# Altium PCB FD-KL-ASM-SUB-PCBA-MAIN.PcbDoc (part 3 of 4) (continued)
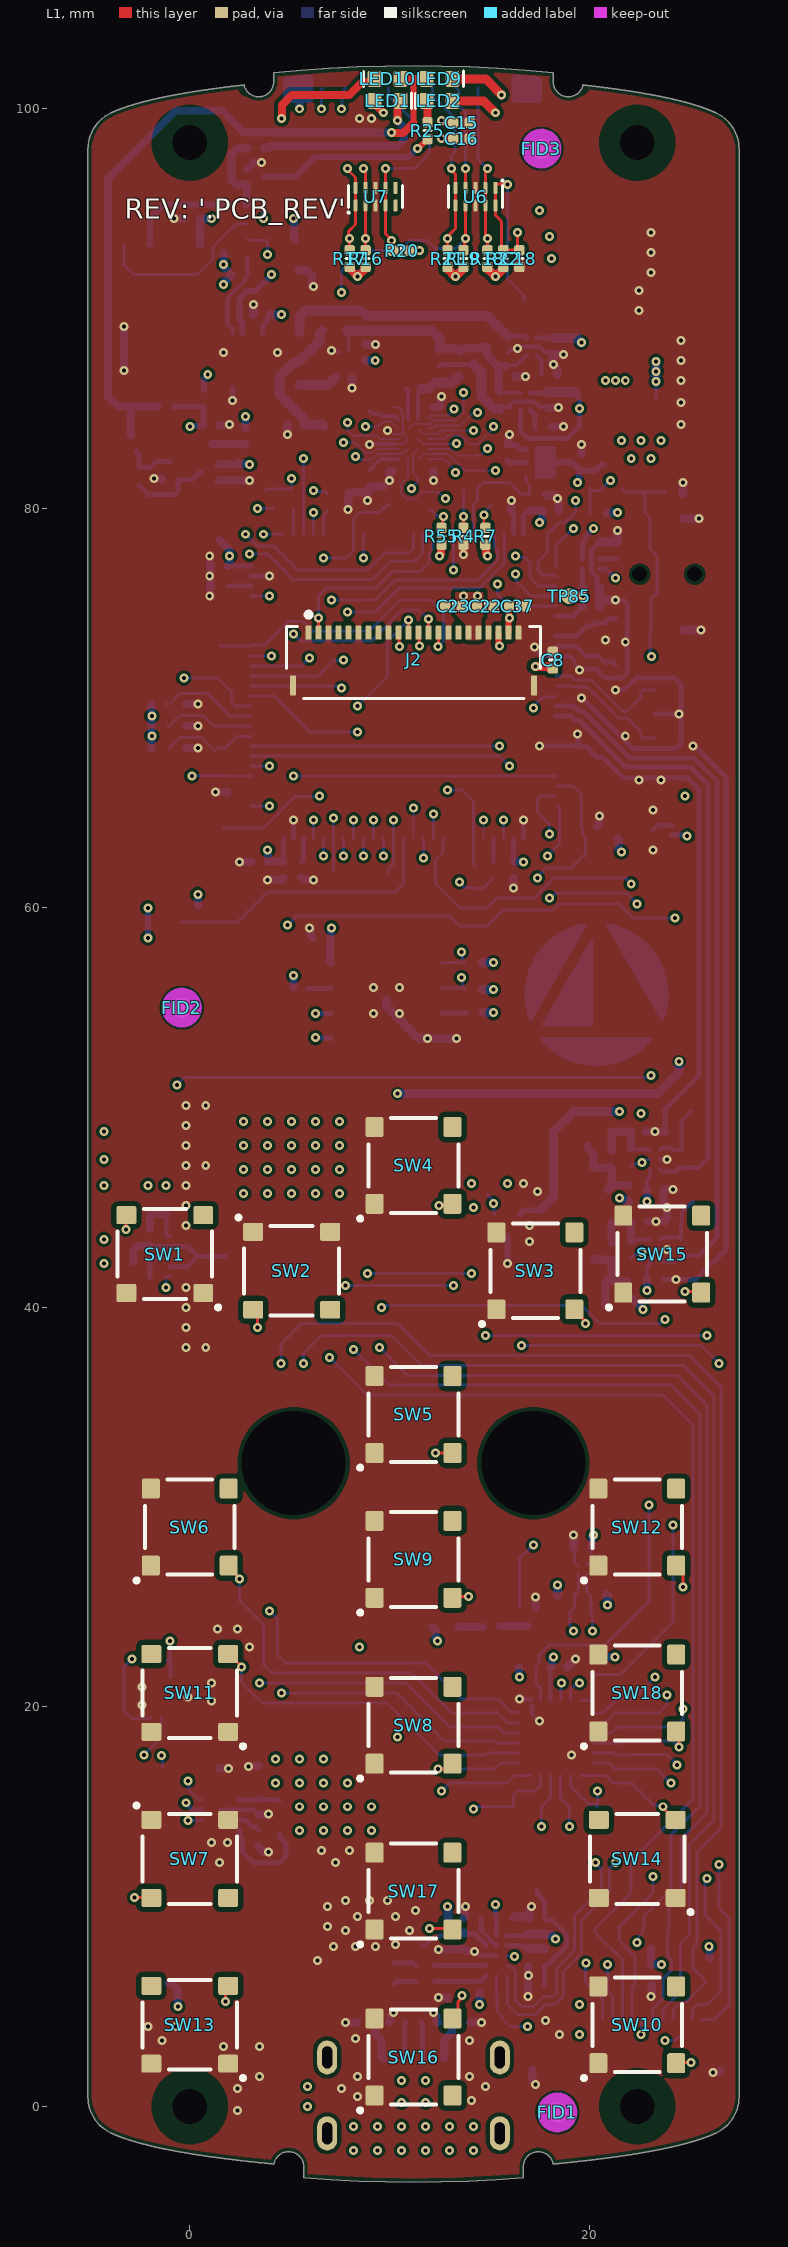
[diagram p0: L1 view]
## Nets (pads, with @x,y where several pads share a name; then routed paths per layer and width w, separated by ;. In a path a pad name is that pad's centre, name@x,y a point inside that pad or via, vN(x,y) a via of type N, cw(c..) or ccw(c..) an arc to the next point about the centre after c; other vN are vias at no path point) (continued)
  L2 w0.15: v1(-2.755,10.463) -0.984,10.463 0.052,11.5 2.1,11.5 2.45,11.85 2.45,18.55 v1(4.6,20.7)
  L4 w0.15: v1(4.6,20.7) 10.33,20.7 12.73,18.3 13.7,18.3 15.3,18.3 15.4,18.2 U4.15@16.425,18.2
KBD_K1: SW10.3 TP29.1 U4.5 | length 20.5
  L1 w0.15: SW10.3@24.35,2.175 24.375,2.2 v1(25.1,2.2)
  L2 w0.15: v1(24.4,17.1) 25.2,16.3 25.2,2.381 25.1,2.281 v1(25.1,2.2)
  L4 w0.15: U4.5@20.175,17.7 21.2,17.7 21.3,17.6 22.1,17.6 22.108,17.608 23.892,17.608 v1(24.4,17.1)
KBD_K2: SW13.3 TP32.1 U4.11 | length 26.1
  L1 w0.15: v1(1.8,5.26) 1.8,5.925 SW13.3@1.925,6.05
  L2 w0.15: v1(1.8,5.26) 5.86,5.26 7.7,7.1 12.5,7.1 12.987,7.587 12.987,8.913 12.3,9.6 12.3,10.7 13.4,11.8 13.4,14.088 v1(14.2,14.888)
  L4 w0.15: v1(14.2,14.888) 14.312,15 TP32.1@16.2,15 16.2,15.6 16.4,15.8 17.3,15.8 17.55,16.05 U4.11@17.55,16.575
KBD_K3: SW16.4 TP35.1 U4.6 | length 31.7
  L1 w0.15: SW16.4@13.15,4.425 13.435,4.71 13.435,5.235 13.635,5.435 v1(13.635,5.545)
  L2 w0.15: v1@13.7,5.6 15,5.6 16,4.6 16,3.9 17.2,2.7 24.2,2.7 24.702,3.202 24.702,15.598 v1(24.1,16.2)
  L4 w0.15: U4.6@20.175,17.2 21,17.2 21.3,16.9 23.35,16.9 24.05,16.2 v1(24.1,16.2)
KBD_K4: SW8.3 TP27.1 U4.13 | length 4.9
  L1 w0.15: v1(12.437,16.9) 12.875,16.9 SW8.3@13.15,17.175
  L4 w0.15: v1(12.437,16.9) 13.7,16.9 15.3,16.9 15.6,17.2 U4.13@16.425,17.2
KBD_K5: SW11.3 TP30.1 U4.14 | length 17.1
  L1 w0.15: SW11.3@1.925,22.65 1.967,22.65 2.6,22.017 v1(2.6,22)
  L4 w0.15: v1(2.6,22) 2.6,21.218 3.618,20.2 9.876,20.2 12.476,17.6 TP30.1@14.8,17.6 14.9,17.7 U4.14@16.425,17.7
KBD_K6: SW14.3 TP33.1 U4.7 | length 5.7
  L1 w0.15: v1(23.7,15) 23.7,14.933 24.283,14.35 SW14.3@24.325,14.35
  L4 w0.15: U4.7@19.55,16.575 20.825,16.575 21.2,16.2 TP33.1@22.1,16.2 23.25,15.05 23.65,15.05 v1(23.7,15)
KBD_K7: SW17.3 TP36.1 U4.12 | length 13.2
  L1 w0.15: v1(12,8.9) 13.125,8.9 SW17.3@13.15,8.875
  L2 w0.15: v1(12,8.9) 12,8.938 11.8,9.138 11.8,11.1 12.6,11.9 v1(12.6,15.8)
  L4 w0.15: v1(12.6,15.8) 12.636,15.8 13.036,16.2 15.9,16.2 16.275,16.575 U4.12@17.05,16.575
KBD_K8: SW9.3 TP28.1 U4.10 | length 16.5
  L1 w0.15: SW9.3@13.15,25.475 13.195,25.52 v1(13.954,25.52)
  L2 w0.15: v1(13.954,25.52) 14.837,24.637 14.837,20.163 17.6,17.4 v1(17.6,14)
  L4 w0.15: v1@17.6,14.1 TP28.1@17.6,15 18.05,15.45 U4.10@18.05,16.575
KBD_K9: SW12.3 TP31.1 U4.3 | length 12.6
  L1 w0.15: SW12.3@24.35,27.075 24.7,26.725 v1(24.7,26)
  L2 w0.15: v1(24.7,19.9) v1(24.7,26)
  L4 w0.15: U4.3@20.175,18.7 21.1,18.7 21.4,19 22.1,19 22.104,19.004 24.304,19.004 24.7,19.4 v1(24.7,19.9)
KBD_K10: SW15.3 TP34.1 U4.2 | length 26
  L1 w0.15: v1(24.8,40.8) 25.541,40.8 SW15.3@25.6,40.741
  L2 w0.15: v1(23.9,20.6) 24.191,20.891 24.191,28.003 24.757,28.569 24.757,40.757 v1(24.8,40.8)
  L4 w0.15: U4.2@20.175,19.2 20.8,19.2 21.3,19.7 TP34.1@23.5,19.7 23.894,20.094 23.894,20.594 v1(23.9,20.6)
KBD_K11: SW18.3 TP37.1 U4.4 | length 5.3
  L1 w0.15: SW18.3@24.35,18.775 24.5,18.625 v1(24.5,18)
  L4 w0.15: U4.4@20.175,18.2 21.7,18.2 21.8,18.3 23.3,18.3 24.164,18.3 24.464,18 v1(24.5,18)
KBD_K12: SW1.4 TP21.1 U4.16 | length 57.3
  L1 w0.15: v1(-3.2,43.9) -3.2,44.591 SW1.4@-3.175,44.616
  L2 w0.15: v1(-3.2,43.9) -3.2,25 -4.025,24.175 -4.025,15.955 -1.67,13.6 0.4,13.6 1.3,14.5 1.3,19 v1(3.5,21.2)
  L4 w0.15: v1(3.5,21.2) 10.82,21.2 13.02,19 TP21.1@14.8,19 15.4,19 15.7,18.7 U4.16@16.425,18.7
KBD_K13: SW3.3 TP23.1 U4.1 | length 24
  L1 w0.15: SW3.3@19.25,39.904 19.25,39.846 19.743,39.354 19.743,39.257 v1(19.8,39.2)
  L2 w0.15: v1(19.8,39.2) 19.8,37.327 22.4,34.727 22.4,28.6 23.3,27.7 v1(23.3,21.5)
  L4 w0.15: U4.1@20.175,19.7 20.7,19.7 21.4,20.4 22.2,20.4 v1@23.344,21.544
KBD_K14: SW4.3 TP24.1 U4.8 | length 36.4
  L1 w0.15: v1(12.475,45.106) 13.075,45.106 SW4.3@13.15,45.181
  L2 w0.15: v1(12.475,45.106) 12.5,45.081 12.5,36.4 12.8,36.1 12.8,28.9 17.7,24 17.7,20.8 20.4,18.1 v1(20.4,15.8)
  L4 w0.15: U4.8@19.05,16.575 19.05,16.05 19.976,15.124 20.276,15.124 TP24.1@20.4,15 v1(20.4,15.8)
KBD_K15: SW5.3 TP25.1 U4.9 | length 25.1
  L1 w0.15: v1(12.3,32.7) 13.137,32.7 SW5.3@13.15,32.713
  L2 w0.15: v1(12.3,32.7) 12.3,28.5 17.062,23.738 17.062,20.538 18.4,19.2 18.4,14.6 v1(19,14)
  L4 w0.15: U4.9@18.55,16.575 18.55,15.45 TP25.1@19,15 v1(19,14)
KBD_K16: SW6.3 TP8.1 U4.17 | length 19.6
  L1 w0.15: SW6.3@1.95,27.075 1.95,26.95 v1(2.5,26.4)
  L4 w0.15: v1(2.5,26.4) 2.5,25.3 3.7,24.1 3.7,22.1 4.1,21.7 11.1,21.7 13.1,19.7 13.7,19.7 15.4,19.7 15.9,19.2 U4.17@16.425,19.2
KBD_K17: SW2.3 TP22.1 U4.18 | length 32.2
  L1 w0.15: SW2.3@3.3,39.7 3.4,39.6 v1(3.4,39)
  L2 w0.15: v1(3.4,39) 3.4,36 1.7,34.3 1.7,28.1 3.1,26.7 3.1,25.7 v1(4,24.8)
  L4 w0.15: v1(4,24.8) 4.4,24.4 4.4,22.6 4.8,22.2 11.8,22.2 13.6,20.4 15.4,20.4 16.05,19.75 16.375,19.75 U4.18@16.425,19.7
KBD_LED_EN: R82.2 TP78.1 U2.23 U26.1 | length 49.3
  L2 w0.15: v1(17.2,28.1) 20.5,28.1 20.9,28.5 20.9,33.7 18,36.6 18,46.3 17.4,46.9 v1(17.4,61.5)
  L4 w0.15: U26.1@16.5,24.95 16.5,27.4 v1(17.2,28.1) ; v1(17.4,61.5) 17.4,61.556 17.844,62 19.1,62 19.7,62.6 19.8,62.6 TP78.1@19.8,62.7 19.8,63.5 19.685,63.615 19.685,63.995 R82.2@19.6,64.08 ; U2.23@18.325,66.1 19.2,66.1 19.6,65.7 R82.2@19.6,64.08 ; R82.2@19.58,64.1 R82.2@19.6,64.08
KBD_RST#: R13.1 TP77.1 U2.1 U4.20 | length 68.9
  L2 w0.15: v1(19.2,79) 19.151,78.951 19.151,74.151 18.1,73.1 18.1,71.9 16.4,70.2 16.4,67.6 20.2,63.8 20.2,40.1 23,37.3 v1(23,30.1)
  L4 w0.15: U4.20@17.55,20.325 17.55,20.95 17.32,21.18 R13.1@17.32,22 17.487,22.167 17.487,22.587 18,23.1 20.8,23.1 23,25.3 v1(23,30.1) ; U2.1@18.325,77.1 18.325,78.125 18.809,78.609 v1(19.2,79)
LCD_D/C: J2.11 TP60.1 U2.45 | length 14.9
  L1 w0.15: v1@10.9,74.4 10.9,74.45 v1(10.95,74.4) J2.11@10.95,73.775
  L2 w0.15: v1(7.2,64.5) 7.2,68.9 v1(8.4,70.1)
  L4 w0.15: TP60.1@7.2,61.8 U2.45@7.2,63.475 v1(7.2,64.5) ; v1(8.4,70.1) 9.9,71.6 9.9,73.35 v1(10.95,74.4)
LCD_RESET: J2.14 TP57.1 U2.67 | length 15.4
  L1 w0.15: v1(12.435,73.069) 12.442,73.076 J2.14@12.442,73.858
  L4 w0.15: TP57.1@1.5,73.1 U2.67@3.075,73.1 3.125,73.15 3.75,73.15 4.922,74.322 5.678,74.322 6.153,73.847 8.975,73.847 10.535,75.408 12.082,75.408 12.7,74.79 12.7,73.334 v1(12.435,73.069)
LCD_SCLK: J2.12 R5.1 TP59.1 | length 15.4
  L1 w0.15: J2.12@11.45,73.775 11.475,73.75 11.475,73.128 v1(11.5,73.103)
  L2 w0.15: v1(11.5,73.103) 11.5,70.9 13.5,68.9 v1(13.5,61.3)
  L4 w0.15: v1(13.5,61.3) 13.5,61.289 13.77,61.019 14.081,61.019 TP59.1@14.2,60.9 14.282,60.982 14.702,60.982 R5.1@15.2,61.48
LCD_SCLK_R: R5.2 U2.29 | length 1.2
  L4 w0.2: R5.2@15.2,62.32 U2.29@15.2,63.475
LCD_SCS: J2.13 R9.2 TP58.1 | length 18.6
  L1 w0.15: J2.13@11.95,73.775 v1(11.95,74.45)
  L2 w0.15: v1(5.2,73.7) 5.9,74.4 5.9,79.214 5.35,79.764 5.35,81.25 v1@5.2,81.4
  L4 w0.15: TP58.1@3.8,80.9 3.86,80.96 5.06,80.96 R9.2@5.1,80.92 v1(5.1,81.5) ; v1(5.2,73.7) 5.55,73.35 9.08,73.35 10.63,74.9 11.5,74.9 v1(11.95,74.45)
LCD_SCS_R: R9.1 R73.1 U2.77 | length 1.3
  L4 w0.15: U2.77@5.2,78.725 R73.1@5.2,79.98
LCD_SI: J2.10 TP61.1 U2.31 | length 13.7
  L1 w0.15: J2.10@10.45,73.775 10.475,73.75 10.475,73.111 v1(10.5,73.086)
  L2 w0.15: v1(10.5,73.086) 10.5,70.9 11.9,69.5 12.9,68.5 v1(12.9,65.9)
  L4 w0.15: v1(12.9,65.9) 13.6,65.9 14.2,65.3 U2.31@14.2,63.475 14.2,62.2 TP61.1@14.3,62.1
LCD_TE: J2.2 TP66.1 U2.91 | length 24
  L1 w0.15: J2.2@6.45,73.775 v1(6.45,74.5)
  L2 w0.15: v1(6.45,74.5) 6.482,74.468 6.482,65.618 v1(6.5,65.6)
  L4 w0.15: TP66.1@1.7,64 3.7,64 5.282,65.582 6.482,65.582 v1(6.5,65.6) ; v1(6.45,74.5) 6.45,75.625 6.842,76.016 9.32,76.016 10.128,76.825 11.513,76.825 12,77.312 12,77.807 12.15,77.957 12.15,78.675 U2.91@12.2,78.725
NetC63_2: C63.2 R76.2 TP70.1 U27.D1 | length 3.7
  L4 w0.2: TP70.1@11.6,8.05 11.762,8.05 12.087,8.375 12.338,8.375 12.53,8.567 12.887,8.567 R76.2@12.95,8.63
  L4 w0.25: C63.2@13.75,8.63 14.27,8.63 U27.D1@14.85,8.05
  L4 w0.45: R76.2@12.95,8.63 12.985,8.665 13.055,8.665 13.06,8.67 C63.2@13.75,8.67
NetC64_1: C64.1 R76.1 R83.2 U27.E3 | length 11.3
  L2 w0.45: v1(12.9,10) 12.9,10.2 14,11.3 16.9,11.3 17.843,10.357 17.843,8.843 v1(18.315,8.37)
  L4 w0.25: U27.E3@15.85,8.55 16.87,8.55 C64.1@16.95,8.63
  L4 w0.45: v1(12.9,10) 12.925,9.975 12.925,9.495 R76.1@12.95,9.47 ; C64.1@16.95,8.63 R83.2@17.75,8.63 17.785,8.595 18.09,8.595 v1(18.315,8.37)
NetC66_2: C66.2 R84.1 U27.D3 | length 2
  L4 w0.25: U27.D3@15.85,8.05 16.528,8.05 16.584,7.994 16.826,7.994 C66.2@16.95,7.87
  L4 w0.45: C66.2@16.95,7.87 R84.1@17.75,7.87
NetC67_1: C67.1 C68.2 R87.2 U27.A1 | length 2.7
  L4 w0.25: R87.2@12.25,6.25 14.55,6.25 U27.A1@14.85,6.55
NetC67_2: C67.2 C69.1 R88.2 U27.B1 | length 2.6
  L4 w0.25: R88.2@12.25,7.05 U27.B1@14.85,7.05
NetLED1_C: LED1.C R27.2 | length 9.3
  L1 w0.4: v1(10.4,99.4) 10.41,99.41 10.41,100.36 LED1.C@10.45,100.4
  L4 w0.4: R27.2@3.72,98 3.78,98.06 3.956,98.06 4.021,98.125 10.416,98.125 10.725,98.434 10.725,99.061 10.4,99.386 v1(10.4,99.4)
NetLED2_C: LED2.C R25.2 | length 1.1
  L1 w0.4: R25.2@11.91,99.32 11.91,100.36 LED2.C@11.95,100.4
NetLED8_C: LED8.C R78.2 | length 1.2
  L4 w0.4: LED8.C@13.45,24 R78.2@14.68,24
NetLED9_C: LED9.C R34.2 | length 29.9
  L1 w0.45: LED9.C@13.25,101.5 14.809,101.5 15.6,100.709 v1(15.6,100.7)
  L2 w0.45: v1(0.9,86.7) 0.9,92.8 2.2,94.1 2.2,95.6 2.95,96.35 2.95,97.569 3.9,98.519 3.9,99.719 4.881,100.7 v1(15.6,100.7)
  L4 w0.3: R34.2@0.69,85.91 R34.2@0.7,85.92 0.7,86.461 0.9,86.661 v1(0.9,86.7)
NetLED10_C: LED10.C R6.2 | length 22.4
  L1 w0.4: v1(4.6,99.5) 4.61,99.51 4.61,100.193 5.116,100.7 8,100.7 8.651,101.351 9.101,101.351 LED10.C@9.25,101.5
  L2 w0.4: v1(2.8,84.6) 2.8,88.498 2.4,88.898 2.4,92.994 2.9,93.494 2.9,95.1 4.6,96.8 v1(4.6,99.5)
  L4 w0.4: R6.2@2.8,84.02 v1(2.8,84.6)
NetQ2_1: Q2.1 R38.2 U14.3 | length 2.5
  L4 w0.25: Q2.1@-2.675,82.885 -2.675,82.842 -2.53,82.697 R38.2@-2.53,82.05 -1.969,82.05 -1.669,82.35 U14.3@-1,82.35
NetR6_1: R6.1 U28.3 | length 1.7
  L4 w0.4: U28.3@1.1,83.25 1.135,83.215 2.765,83.215 R6.1@2.8,83.18
NetR25_1: R25.1 U8.3 | length 8.9
  L1 w0.3: v1(11.4,98) 11.42,98 R25.1@11.9,98.48
  L4 w0.3: U8.3@3.75,96.6 5.3,96.6 6.275,97.575 10.934,97.575 11.359,98 v1(11.4,98)
NetR39_2: R39.2 U14.1 U22.3 | length 4.1
  L4 w0.25: R39.2@-2.53,81.15 -2.08,80.7 -0.746,80.7 -0.6,80.846 U14.1@-0.6,81.45 0.125,81.45 0.4,81.725 0.475,81.8 U22.3@0.55,81.8
NetR59_1: R59.1 U9.7 | length 1.2
  L4 w0.25: R59.1@5.92,55.95 5.938,55.968 7.063,55.968 U9.7@7.08,55.985
NetR60_1: R60.1 U9.3 | length 1.2
  L4 w0.25: U9.3@12.62,54.715 12.637,54.732 13.812,54.732 R60.1@13.83,54.75
NetR77_2: R77.2 TP17.1 U23.2 | length 2.1
  L4 w0.25: U23.2@2.5,15.326 3.33,15.326 R77.2@3.45,15.446 3.523,15.373 4.427,15.373 TP17.1@4.5,15.3
NetR78_1: R78.1 U26.3 | length 1.4
  L4 w0.4: R78.1@15.52,24.04 U26.3@16.9,24.04
NetR83_1: R83.1 R84.2 R85.1 TP74.1 | length 6.1
  L4 w0.25: TP74.1@17.375,10.825 17.375,10.676 17.75,10.301 R83.1@17.75,9.47 17.885,9.335 18.128,9.335 18.865,8.598 18.865,8.036 17.994,7.165 17.885,7.165 R84.2@17.75,7.03 17.75,6.07 R85.1@17.77,6.05
NetR86_1: R86.1 TP73.1 U23.5 | length 4.9
  L4 w0.25: U23.5@2.5,13.826 2.521,13.826 2.521,13.479 2.65,13.35 R86.1@2.65,12.726 ; R86.1@2.67,12.726 3.22,12.176 4.505,12.176 4.818,12.489 4.818,13.179 4.5,13.496 TP73.1@4.5,13.6
NetR87_1: R87.1 R89.3 | length 1.1
  L4 w0.25: R89.3@10.25,6.125 10.375,6.25 R87.1@11.33,6.25
NetR88_1: R88.1 R89.4 | length 1.1
  L4 w0.25: R89.4@10.25,7.175 11.205,7.175 R88.1@11.33,7.05
NOISE_AMP_EN: R43.2 R48.2 U2.56 U16.B1 U18.B1 | length 45.7
  L2 w0.15: v1(16,67.1) 16,66 17.3,64.7 17.3,62.407 18,61.707 v1(18,60.5) ; v1(22.4,60.2) 22.4,49.938 22.6,49.738 v1(22.6,49.7) 22.622,49.678 22.622,47.266 v1(22.644,47.244) 22.644,46.376 23.4,45.62 23.4,45.087 22.644,44.331 v1(22.644,42.744)
  L4 w0.15: U2.56@3.075,67.6 15.5,67.6 v1(16,67.1) ; v1(18,60.5) 18.081,60.5 18.314,60.733 21.867,60.733 v1(22.4,60.2) ; R48.2@22.1,42.48 22.267,42.647 22.466,42.647 22.563,42.744 v1(22.644,42.744) 22.725,42.744 22.881,42.9 U18.B1@23.039,42.9 ; R43.2@22.1,47.08 22.207,47.187 22.587,47.187 v1(22.644,47.244) 22.725,47.244 22.882,47.401 U16.B1@23.05,47.4 U16.B1@23.05,47.4
NOISE_AMPFB1: R42.1 R46.2 TP79.1 U16.C2 | length 3.4
  L4 w0.2: U16.C2@23.55,47.9 23.553,47.9 23.653,48 24.058,48 24.177,47.881 24.539,47.881 R42.1@24.6,47.82 24.61,47.83 24.61,48.79 R46.2@24.62,48.8 24.62,49.32 TP79.1@25.1,49.8
NOISE_AMPFB2: R47.1 R51.2 TP80.1 U18.C2 | length 3.3
  L4 w0.2: U18.C2@23.55,43.4 23.553,43.4 23.653,43.5 24.52,43.5 R47.1@24.6,43.42 24.6,44.28 24.643,44.323 24.643,44.743 TP80.1@25.2,45.3
NOISE_BIAS_EN: TP81.1 U2.57 U17.1 | length 37.9
  L2 w0.15: v1(15.2,45.2) 15.2,47.2 16.4,48.4 16.4,59 15.6,59.8 15.6,63.1 16.2,63.7 16.2,64.7 15.5,65.4 v1(15.5,68.1)
  L4 w0.15: U2.57@3.075,68.1 v1(15.5,68.1) ; TP81.1@14.9,45.7 14.9,45.624 15.143,45.382 15.143,45.257 15.225,45.175 15.225,44.675 U17.1@15.25,44.65
NOISE_CTR1: C41.2 R43.1 R45.2 TP3.1 U16.C1 | length 3.8
  L4 w0.2: R43.1@22.1,47.92 22.118,47.902 U16.C1@23.045,47.902
  L4 w0.4: C41.2@21.1,47.82 TP3.1@21.1,48.8 22.08,48.8 22.09,48.79 R43.1@22.09,47.93
NOISE_CTR2: C46.2 R48.1 R50.2 TP6.1 U18.C1 | length 4
  L4 w0.2: R48.1@22.178,43.398 U18.C1@23.048,43.398
  L4 w0.4: C46.2@21.1,43.22 TP6.1@21.1,44.2 21.15,44.25 22.03,44.25 R50.2@22.08,44.3 22.09,44.29 22.09,43.33 R48.1@22.1,43.32 R48.1@22.178,43.398
NOISE_FB: C42.1 C47.1 D2.A D3.A R52.2 TP84.1 U17.4
NOISE_LX: L4.2 U17.6
NOISE_NPN1: C41.1 C42.2 D2.C R44.1 TP2.1 | length 4.5
  L4 w0.4: TP2.1@19.9,48.1 19.9,48.001 20.22,47.681 C42.2@20.22,47 20.23,46.99 21.09,46.99 C41.1@21.1,46.98 D2.C@21.1,46.025 ; D2.C@21.072,45.997 20.975,45.9 D2.C@20.9,45.9 21.12,46.12 ; 21.14,46.12 R44.1@22,46.12
NOISE_NPN2: C46.1 C47.2 D3.C R49.1 TP5.1 | length 4.3
  L4 w0.4: C47.2@20.23,42.4 C47.2@20.23,42.41 ; C47.2@20.3,42.39 21.09,42.39 C46.1@21.1,42.38 21.1,41.525 D3.C@20.875,41.3 ; TP5.1@20.8,40.1 D3.C@20.8,41.3 D3.C@20.875,41.3 ; R49.1@21.9,41.32 21.88,41.3 D3.C@20.875,41.3
NOISE_OUT1: R42.2 TP1.1 U2.16 U16.A2 | length 30.3
  L4 w0.2: U16.A2@23.55,46.9 23.553,46.9 23.653,46.8 24.318,46.8 24.498,46.98 R42.2@24.5,46.98
  L4 w0.25: U2.16@18.325,69.6 19.064,69.6 19.264,69.4 19.481,69.4 21.831,67.05 25.05,67.05 25.95,66.15 25.95,47.482 25.459,46.991 24.611,46.991 R42.2@24.6,46.98
NOISE_OUT2: R47.2 TP4.1 U2.15 U18.A2 | length 35.9
  L4 w0.2: U18.A2@23.55,42.4 23.553,42.4 23.653,42.3 24.318,42.3 R47.2@24.6,42.58 R47.2@24.6,42.58 24.61,42.59 25.49,42.59 TP4.1@25.5,42.6
  L4 w0.25: U2.15@18.325,70.1 19.2,70.1 19.45,69.85 19.668,69.85 22.018,67.5 25.236,67.5 26.4,66.336 26.4,43.5 TP4.1@25.5,42.6
NOISE_VCC: C45.1 R44.2 R49.2 U17.3 | length 21
  L2 w0.4: v1(21.5,49.8) v1(21.5,45.48) 21.5,41.1 v1@22.69,39.91
  L4 w0.3: U17.3@16.55,44.65 16.55,44.725 16.685,44.86 C45.1@17.54,44.86
  L4 w0.4: C45.1@17.54,44.86 C45.1@17.6,44.92 ; v1(21.5,45.48) 21.51,45.471 21.625,45.471 21.635,45.46 21.701,45.46 21.821,45.34 21.94,45.34 R44.2@22,45.28 ; R49.2@21.9,40.48 21.96,40.42 22.18,40.42 v1@22.69,39.91
  L4 w0.45: C45.1@17.6,44.92 18.2,45.52 18.2,48.78 19.22,49.8 v1(21.5,49.8)
  other v1: 22.7,39.9
NR_A: C53.1 U21.A3 | length 1
  L4 w0.25: U21.A3@17.05,84.917 17.28,84.687 C53.1@17.28,84
NR_BAT: C88.1 U1.A3 | length 0.9
  L4 w0.25: U1.A3@20.533,77.45 21.37,77.45 C88.1@21.4,77.48
NR_D: C84.1 U30.A3 | length 1.1
  L4 w0.2: U30.A3@17.35,87.667 17.6,87.417 C84.1@17.6,86.7
OSC32_IN: C49.1 U2.8 X1.1 | length 3.4
  L4 w0.25: U2.8@18.325,73.6 19.35,73.6 19.85,74.1 X1.1@20.1,74.1 20.268,74.268 20.768,74.268 20.985,74.485 21.265,74.485 C49.1@21.3,74.52
OSC32_OUT: C55.1 U2.9 X1.2 | length 3.4
  L4 w0.25: U2.9@18.325,73.1 19.35,73.1 19.85,72.6 20.1,72.6 20.45,72.6 20.75,72.3 21.18,72.3 C55.1@21.3,72.18
OSC_IN: U2.12 X2.1 | length 6.3
  L4 w0.15: U2.12@18.325,71.6 19.093,71.6 19.293,71.4 20.093,71.4 21.643,69.85 21.859,69.85 22.572,70.563 22.572,70.777 22.695,70.9 X2.1@23.3,70.9
OSC_OUT: U2.13 X2.3 | length 6.2
  L4 w0.15: U2.13@18.325,71.1 19.098,71.1 19.148,71.05 19.888,71.05 21.438,69.5 21.9,69.5 22.563,68.837 22.563,68.623 22.686,68.5 X2.3@23.3,68.5
PS_3V0_EN: R29.1 TP52.1 U11.6 U12.4 | length 24.4
  L2 w0.15: v1(-2.9,22.4) -2,23.3 -2,40.2 v1(-1.2,41)
  L4 w0.15: v1(-2.9,22.4) -3.3,22 TP52.1@-3.3,20.6 -3.3,19.82 R29.1@-2.85,19.37 -2.81,19.41 -2.009,19.41 -1.959,19.46 U12.4@-1.959,19.5 ; v1(-1.2,41) -1.2,41.5 -1.15,41.55 U11.6@-1,41.55
PS_3V0_FB: C54.2 R30.1 R32.1 U11.10 | length 2.9
  L4 w0.2: C54.2@-1.2,44.68 -1.175,44.655 -1.175,43.575 -1.15,43.55 U11.10@-1,43.55
  L4 w0.4: R32.1@-2,43.92 R30.1@-2,44.68 C54.2@-1.2,44.68
PS_3V0_L1: L1.1 U11.4
PS_3V0_L2: L1.2 U11.2
PS_3V0_VINA: C33.1 R75.2 U11.8 | length 1.9
  L4 w0.25: R75.2@-2,41.52 -2,42.28 C33.1@-1.98,42.3 ; C33.1@-2,42.35 -1.915,42.435 -1.726,42.435 -1.611,42.55 U11.8@-1,42.55
PS_5V0_L: L2.2 U13.B1 U13.B2 | length 1.8
  L4 w0.2: U13.B2@23.35,85.55 U13.B1@23.35,85.95 v1(23.35,86.35)
  L4 w0.45: v1(23.35,86.35) v1(23.35,86.85) v1(23.35,87.35)
  other v1: 20.8,86.4 21.3,86.4 21.8,86.4
PWR_SHDN: R33.2 TP56.1 U2.61 U12.7 | length 55.5
  L2 w0.15: v1(-1,23.3) -1,35.7 0.3,37 0.3,57 -0.7,58 -0.7,71.1 v1(-0.3,71.5)
  L4 w0.15: v1(-0.3,71.5) 1.4,71.5 2.1,70.8 2.1,70.3 2.3,70.1 U2.61@3.075,70.1
  L4 w0.2: R33.2@-1.089,22.3 -1,22.389 v1(-1,23.3) ; R33.2@-1.044,22.411 -0.959,22.325 U12.7@-0.959,21.5
PWR_SW: C21.1 D1.C R31.1 SW19.1 SW19.3 TP47.1 U12.3 | length 92.9
  L2 w0.15: v1(-2.3,17.6) -1.5,18.4 -1.5,39.8 -0.7,40.6 -0.7,51.073 v1(-0.632,51.141) ; v1(23.1,51.6) 23.1,51.681 23.2,51.781 23.2,60.4 23.8,61 23.8,65.4 23.1,66.1 23.1,72.586 v1(23.105,72.591)
  L4 w0.15: v1(-2.3,17.6) -2.288,17.6 -1.547,18.341 -1.547,18.582 R31.1@-1.429,18.7 ; U12.3@-1.459,19.5 -1.444,19.485 R31.1@-1.444,18.735 ; v1(-0.632,51.141) -0.273,51.5 22.919,51.5 23.019,51.6 v1(23.1,51.6) ; D1.C@21.65,81 D1.C@21.725,80.925 ; D1.C@21.725,80.825 TP47.1@22.8,80.825 ; TP47.1@22.8,80.85 TP47.1@22.8,80.825 ; v1(23.105,72.591) 23.05,72.646 SW19.1@23.05,73.9 23.1,73.95 23.1,75.5 23.4,75.8 23.4,77.6 23.05,77.95 SW19.3@23.05,79.5 22.8,79.75 TP47.1@22.8,80.825 ; C21.1@23.83,80.75 23.755,80.825 TP47.1@22.8,80.825
PWR_SW_MCU: D1.A R37.2 TP75.1 U2.34 | length 37.5
  L2 w0.15: v1(21.05,81.4) 20.615,80.965 20.615,80.284 19.715,79.385 19.715,78.465 20.2,77.98 20.2,69.5 21,68.7 21,66.9 22.1,65.8 v1(22.1,61.2)
  L4 w0.15: U2.34@12.7,63.475 12.672,63.447 12.672,62.772 12.3,62.4 12.3,61.2 TP75.1@12.7,60.8 13.5,60 14.9,60 15.379,60.479 17.221,60.479 18.241,61.5 21.8,61.5 v1(22.1,61.2) ; R37.2@20.03,79.75 20.04,79.76 D1.A@20.04,80.8 ; D1.A@20.04,80.9 20.04,80.99 D1.A@20.05,81 ; D1.A@20.09,80.9 D1.A@20.1,80.9 20.55,80.9 v1(21.05,81.4)
RTC_IN: J4.1 TP7.1 U2.62 | length 86
  L2 w0.15: v1(8.4,68.8) 8.4,67 12.3,63.1 12.3,61.5 15.7,58.1 15.7,48.6 13.6,46.5 13.6,44.6 15.4,42.8 15.4,39.3 v1(16.6,38.1) ; v1(26.5,12.1) v1(26.5,37.194)
  L4 w0.15: U2.62@3.075,70.6 4.2,70.6 6,68.8 v1(8.4,68.8) ; v1(16.6,38.1) 25.594,38.1 v1(26.5,37.194) ; J4.1@25.65,4.35 26.25,4.35 27,5.1 27,9.423 26.5,9.923 TP7.1@26.5,10.6 ; TP7.1@26.5,10.7 v1(26.5,12.1)
RTC_OUT: J4.2 TP18.1 U2.36 | length 74.1
  L2 w0.15: v1(11.7,62.5) 11.7,61.4 14.65,58.45 14.65,48.45 13.1,46.9 13.1,44.2 14.8,42.5 v1(14.8,38.6) ; v1(25.9,11.4) v1(25.9,38.6)
  L4 w0.15: v1(11.7,62.5) U2.36@11.7,63.475 ; v1(14.8,38.6) v1(25.9,38.6) ; J4.2@25.15,4.35 25.173,4.373 25.173,4.873 25.393,5.093 25.893,5.093 26.6,5.8 26.6,8.74 26.25,9.09 26.25,9.15 25.8,9.6 25.8,11.219 25.9,11.319 v1(25.9,11.4)
SD_CD: C18.1 J1.10 R22.1 U2.2 U6.1 U6.10 | length 33.9
  L1 w0.15: v1(15.9,96.2) 15.875,96.225 15.325,96.225 15.3,96.2 U6.10@15.3,95.16 15.3,94.663 15.6,94.363 15.6,92.92 R22.1@15.7,92.92 C18.1@16.4,92.92 ; v1(16.4,93.8) 16.4,93.02 C18.1@16.5,92.92
  L2 w0.15: v1(16.4,93.8) 16.4,92.4 17.5,91.3 17.5,86.9 17.9,86.5 19.1,86.5 20.1,85.5 20.1,82.9 19.55,82.35 19.25,82.35 18.8,81.9 18.8,80.961 19.3,80.461 v1(19.3,80.4)
  L4 w0.15: v1(15.9,96.2) 15.9,91.475 16.725,90.65 J1.10@16.725,90.375 ; U2.2@18.325,76.6 18.275,76.65 17.673,76.65 17.425,76.898 17.425,77.302 17.9,77.777 17.9,78.7 18.5,79.3 18.793,79.3 19.3,79.807 v1(19.3,80.4)
SD_CK: J1.5 R20.2 R74.2 U7.4 U7.7 | length 25.8
  L1 w0.15: U7.7@9.799,96.039 9.799,95.161 9.8,93.741 10.1,93.441 v1(10.1,93.405) 10.14,93.365 10.14,92.96 R20.2@10.1,92.92 ; U7.7@9.8,96.04 v1(9.8,97)
  L2 w0.15: v1(6.2,80.9) 6.2,83.105 6.35,83.255 6.35,86.15 10.1,89.9 v1(10.1,93.405)
  L4 w0.15: v1(6.2,80.9) 6.257,80.843 6.777,80.843 R74.2@6.9,80.72 ; v1(9.8,97) 11.226,97 12,97.774 12,98.2 11.2,99 11.2,99.4 9.95,100.65 J1.5@9.95,101.05
SD_CK_R: R74.1 U2.80 | length 1.2
  L4 w0.15: U2.80@6.7,78.725 6.7,79.558 6.725,79.583 6.725,79.603 6.742,79.62 6.742,79.722 R74.1@6.9,79.88
SD_CMD: J1.3 R21.2 TP13.1 U2.83 U6.5 U6.6 | length 32.9
  L1 w0.15: R21.2@12.9,92.92 v1(12.9,93.5) 12.9,93.581 13.018,93.699 13.018,93.718 13.3,94 U6.6@13.3,95.16 U6.5@13.3,96.04 13.3,96.719 13.1,96.919 v1(13.1,97)
  L2 w0.15: v1(6.7,77.5) 6.7,83.893 12.4,89.593 12.4,93 v1(12.9,93.5)
  L4 w0.15: v1(6.7,77.5) 7.819,77.5 8.2,77.881 8.2,79.5 8.5,79.8 9.516,79.8 9.916,80.2 TP13.1@10,80.2 ; J1.3@12.15,101.05 12.15,100.65 13.278,99.522 13.278,97.842 13.1,97.664 v1(13.1,97)
SD_D0: J1.7 R16.2 U2.65 U7.2 U7.9 | length 36.4
  L1 w0.15: v1(8.7,97) 8.7,96.919 8.8,96.819 U7.2@8.8,95.16 v1(8.8,93.5) R16.2@8.8,92.92
  L2 w0.15: v1(5.982,72.496) 5.957,72.522 5.078,72.522 4.7,72.9 4.7,74 5.4,74.7 5.4,79.08 4.988,79.492 4.988,80.905 4.376,81.517 4.376,84.276 4.9,84.8 4.9,88.907 8.8,92.807 v1(8.8,93.5) ; v1(7.6,100) 7.6,98.812 8.7,97.712 v1(8.7,97)
  L4 w0.15: U2.65@3.075,72.1 5.586,72.1 v1(5.982,72.496) ; v1(7.6,100) 7.619,100.019 7.619,100.844 J1.7@7.825,101.05
SD_D1: J1.8 R17.2 U2.66 U7.1 U7.10 | length 33.9
  L1 w0.15: v1(7.9,97) 7.9,96.958 8.3,96.558 U7.10@8.3,96.04 8.3,94.205 7.957,93.862 7.957,93.543 v1(8,93.5) R17.2@8,92.92
  L2 w0.15: v1(4.1,72.6) 4.1,74 5,74.9 5,78.847 4.589,79.257 4.589,80.809 3.9,81.498 3.9,88.4 4.1,88.6 4.1,90.4 7.2,93.5 v1(8,93.5) ; v1(6.6,100) 6.6,99.162 7.9,97.862 v1(7.9,97)
  L4 w0.15: U2.66@3.075,72.6 v1(4.1,72.6) ; v1(6.6,100) 6.6,100.975 J1.8@6.65,101.025
SD_D2: J1.1 R18.2 U2.78 U6.2 U6.9 | length 30.5
  L1 w0.15: v1@14.8,93.681 U6.9@14.8,95.16 14.8,96.819 14.9,96.919 v1(14.9,97) ; R18.2@14.9,92.92 v1(14.9,93.5)
  L2 w0.15: v1(5.7,82.5) 5.7,83.2 5.9,83.4 5.9,88.3 9.4,91.8 9.4,93.7 9.713,94.013 14.387,94.013 v1(14.9,93.5)
  L4 w0.15: U2.78@5.7,78.725 v1(5.7,82.5) ; J1.1@14.425,101.05 14.438,101.037 14.438,97.462 v1(14.9,97)